# Allegro board trx_layout.brd (continued)
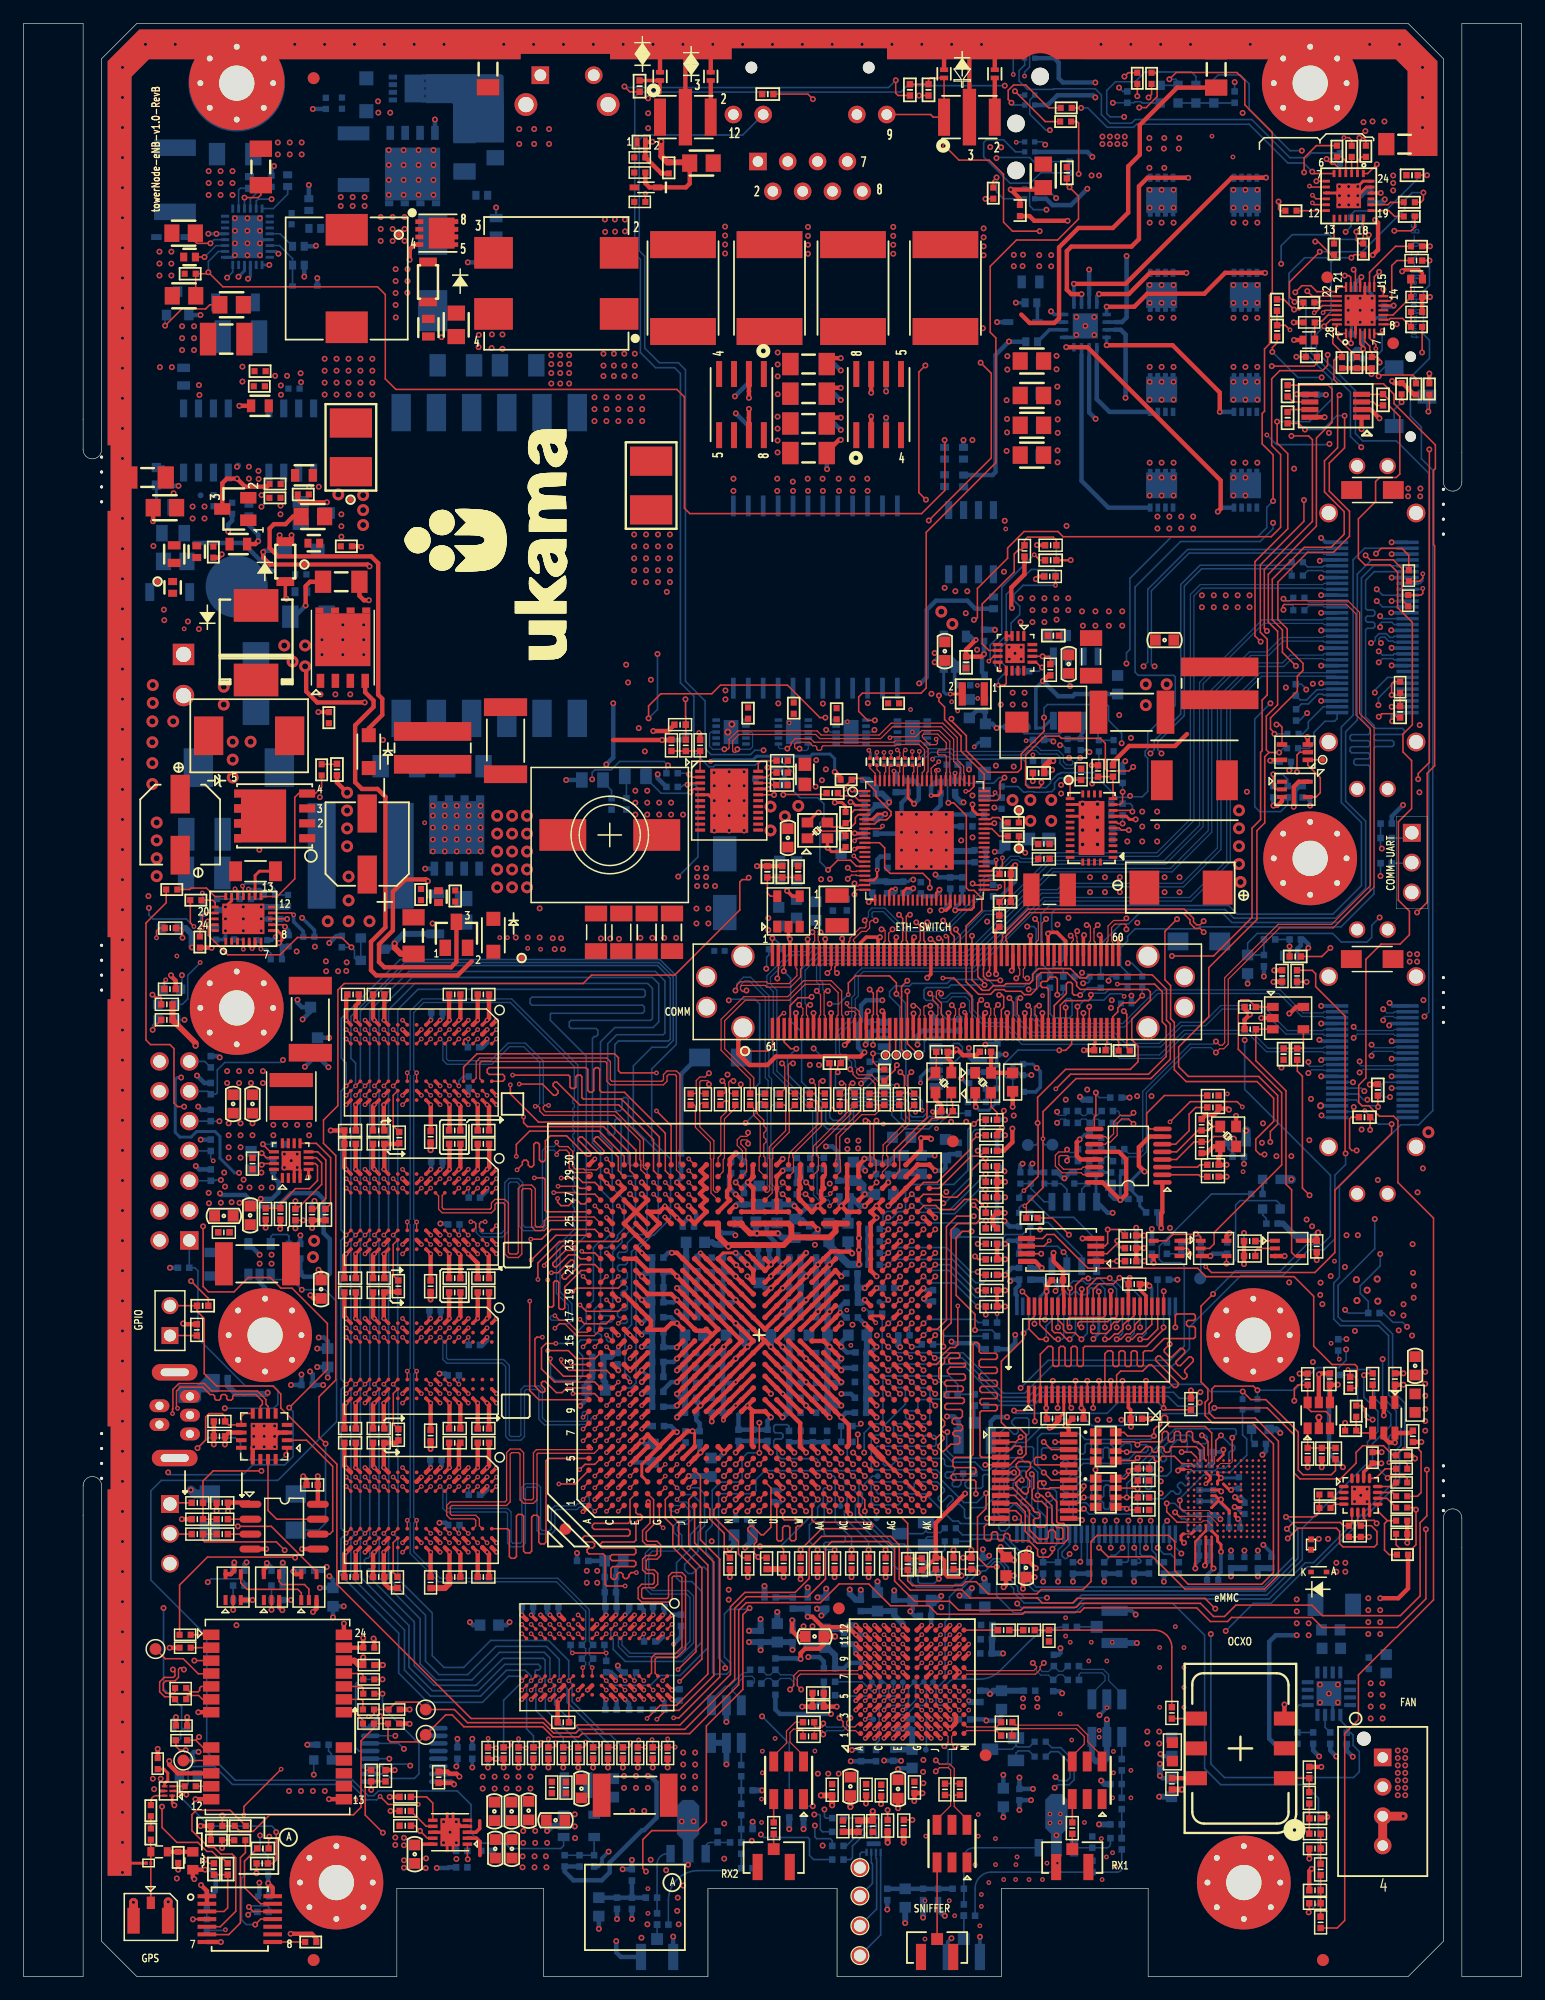
[diagram p0: board, top side]
## Routing (per net, layer and track width the routed paths; a pad name or vN(x,y) marks a point on that pad's centre or on a via; arc(x,y) is an arc through that point) (continued)
  BOTTOM w0.508: C306.1 C313.1 65.15,56.14 v1(64.67,56.61) ; C323.1 C330.1 56.35,52.93 56.67,52.61 56.35,52.29 C337.1 ; C351.1 56,49.28 v1(55.67,49.61) ; C351.1 C344.1 C337.1 ; C351.1 C357.1 56.07,48.01 v1(55.67,47.61) ; v1(60.67,61.61) v1(61.67,60.61) ; C337.1 55.88,51.82 v1(55.67,51.61) ; v1(64.67,47.61) 65.07,48.01 C355.1 C349.1 C342.1 C335.1 ; C348.1 C354.1 68.48,47.8 ; C348.1 69.15,48.61 v1(69.67,48.61) ; C348.1 C341.1 ; C303.1 C287.1 C282.1 L26.2 ; C303.1 v1(55.67,58.61) ; C303.1 C308.1 C315.1 56.15,56.14 v1(55.67,56.61) ; C334.1 C341.1 ; C334.1 C327.1 68.48,53.43 v1(68.67,53.61) 68.48,53.8 C321.1 C312.1 68.48,56.43 v1(68.67,56.61) 68.48,56.8 C305.1 C296.1 C288.1 68.48,60.43 ; C334.1 68.88,51.82 v1(69.67,52.61) ; C341.1 69.61,50.55 v1(69.67,50.61) ; C279.1 68.48,60.8 v1(68.67,60.61) ; v1(64.67,53.61) 64.67,53.6 65.18,53.09 C328.1 ; C335.1 C328.1 ; C335.1 64.88,51.82 v2(64.67,51.61) ; C328.1 C319.1 ; v1(60.67,55.61) 61.42,54.86 C322.1 61.42,53.86 v1(61.67,53.61) ; C280.1 65.26,61.2 65.24,61.18 C289.1
  vias: v3(40.35,98.83) v3(40.35,97.31) v3(40.35,95.79) v3(40.35,94.26) v3(40.35,92.74) v3(41.62,98.83) v3(41.62,97.31) v3(41.62,95.79) v3(41.62,94.26) v3(41.62,92.74) v3(42.89,98.83) v3(42.89,97.31) v3(42.89,95.79) v3(42.89,94.26) v3(42.89,92.74)
7130_VDD_PG: length 152.8
  TOP w0.137: R233.2 v1(31.27,14.09) ; v1(20.29,69.11) 20.4,69.22 21.33,69.22 U14.15 ; U7.3 56.71,101.62 v1(56.57,101.47)
  L3-SIGNAL w0.127: v1(24.83,87.69) 24.22,87.08 24.22,79.46 22.76,78 22.76,76.4 20.27,73.91 20.27,71.55 19.46,70.74 19.46,69.57 19.91,69.11 v1(20.29,69.11) 21.6,67.81 21.6,65.98 15.73,60.1 15.73,53.03 18.26,50.5 18.26,42.38 15.2,39.32 15.2,33.31 12,30.11 12,20 17.76,14.24 31.12,14.24 v1(31.27,14.09)
  L6-SIGNAL w0.127: v1(24.83,87.69) 23.8,86.66 22.96,86.66 22.53,87.1 22.53,88.01 27,92.48 29.49,92.48 31.24,90.73 42.93,90.73 45.85,93.65 v1(55.77,93.65)
  BOTTOM w0.137: R292.2 56.05,101.29 56.24,101.47 v1(56.57,101.47) 57.21,101.47 57.46,101.22 57.46,95.34 v1(55.77,93.65)
7130_VREFCA: length 14.5
  TOP w0.305: U23.H1 34.29,55.63 v2(34.69,56.03) ; U15.H1 34.29,68.33 v2(34.69,68.73) ; U23.M8 v2(30.69,49.63) ; U11.M8 v2(30.69,75.03) ; U11.H1 34.29,81.03 v2(34.69,81.43)
  TOP w0.381: U35.M8 v2(45.64,24.38) ; U15.M8 v2(30.69,62.33) ; U30.M8 v2(30.69,36.93) ; U35.H1 v2(49.64,30.78) ; U30.H1 34.29,42.93 v2(34.69,43.33)
  BOTTOM w0.381: R313.1 34.73,81.47 v2(34.69,81.43) ; C311.1 34.58,56.14 v2(34.69,56.03) ; v2(34.69,68.73) 34.73,68.77 C254.1 ; v2(34.69,43.33) 34.66,43.36 C369.1 ; v2(49.64,30.78) 49.57,30.86 C404.1 49.51,31.52 C392.1 C391.1 49.51,35.38 C383.1 R424.2
  vias: v1(47.98,34.54) v1(47.98,33.53) v1(48.87,34.54) v1(48.87,33.53)
7130_VTT: length 22.5
  TOP w0.305: R224.2 v1(49.79,17.8) ; R218.2 v1(42.17,17.8) ; R225.2 v1(51.06,17.8) ; R219.2 v1(43.44,17.8) ; v1(40.24,18.54) 40.23,18.54 R216.2 ; 38.86,13.26 38.86,12.6 38.55,12.29 U42.3 ; R220.2 v1(44.71,17.8) ; R226.2 v1(52.33,17.8) ; R223.2 v1(48.52,17.8) ; R228.2 v1(54.87,17.8) ; R227.2 v1(53.6,17.8) ; R221.2 v1(45.98,17.8) ; R217.2 v1(40.9,17.8) ; R222.2 v1(47.25,17.8)
  BOTTOM w0.305: R217.2 v1(40.9,17.8) ; C439.1 36.96,17.99 36.88,17.91 36.88,17.89 v1(36.87,17.89) ; R221.2 v1(45.98,17.8) ; R223.2 v1(48.52,17.8) ; R225.2 v1(51.06,17.8) ; R222.2 v1(47.25,17.8) ; R220.2 v1(44.71,17.8) ; R226.2 v1(52.33,17.8) ; R227.2 v1(53.6,17.8) ; R218.2 v1(42.17,17.8) ; R228.2 v1(54.87,17.8) ; R224.2 v1(49.79,17.8) ; R219.2 v1(43.44,17.8) ; C438.1 v1(38.23,17.8)
  BOTTOM w0.381: R217.2 40.9,18.54 v1(40.24,18.54)
  vias: v1(39.12,17.02) v1(39.12,16) v1(40.13,17.02) v1(40.13,16) v1(41.15,17.02) v1(41.15,16) v1(42.17,17.02) v1(42.17,16) v1(43.18,17.02) v1(43.18,16)
7130_WDI: length 64.3
  TOP w0.137: v1(109.55,66.52) 108.94,67.13 108.94,76.66 108.51,77.09 R8.2 ; U1.AF13 v1(73.67,51.61)
  L3-SIGNAL w0.127: v1(100.25,49.76) 99.85,50.16 99.85,57.99 100.58,58.72 102.98,58.72 103.26,59 103.96,59 108.08,63.12 108.08,65.05 v1(109.55,66.52)
  BOTTOM w0.137: v1(73.67,51.61) 74.2,52.15 79.99,52.15 83.16,48.97 85.81,48.97 86.59,49.75 97.95,49.75 98.48,49.23 99.72,49.23 v1(100.25,49.76)
AD936X_1V3: length 27.2
  TOP w0.381: v1(76.58,15.61) 76.57,15.62 L14.1 75.9,14.95 v1(75.88,14.94)
  TOP w0.508: v1(67.92,15.42) L15.1 v1(68.89,14.58)
  BOTTOM w0.381: v1(84.84,14.17) L41.1 v1(85.83,15.01) ; v1(73.31,18.39) 73.32,18.38 74.08,18.38 L39.1 v1(74.75,18.37) ; R448.2 106.55,19.82 106.12,20.25 106.12,28.5 106.68,29.06 v1(108.46,29.06)
  BOTTOM w0.508: v1(67.64,32.28) L30.1 v1(68.38,33.02) ; v1(61.8,29.44) L32.1 v1(62.79,30.43) ; v1(79.73,32.43) L29.1 80.47,32.75 v1(80.79,33.06) ; v1(70.38,32.94) 70.38,32.59 70.89,32.08 L31.1 v1(71.33,32.92)
  vias: v1(86.36,23.67) v1(86.36,22.96) v1(108.46,32.11) v1(108.46,31.09) v1(108.46,30.07) v1(109.48,30.07) v1(109.48,29.06)
AD936X_1V3_PG: length 226.5
  TOP w0.137: R114.2 13.37,89.27 13.55,89.1 v1(13.55,88.45)
  L3-SIGNAL w0.127: v1(68.07,11.15) 67.97,11.05 60.13,11.05 58.89,12.29 45.47,12.29 44.43,13.34 37.9,13.34 37.29,12.73 35.43,12.73 34.93,13.23 20.52,13.23 15.88,8.59 15.06,8.59 12.41,11.24 12.41,14.95 12.87,15.4 12.87,18.67 11.67,19.86 11.67,30.27 14.87,33.46 14.87,39.46 17.93,42.52 17.93,50.36 15.4,52.89 15.4,60.3 20.71,65.62 20.71,67.38 19.06,69.03 19.06,73.31 21.58,75.84 21.58,78.25 22.89,79.56 22.89,85.7 21.52,87.06 17.18,87.06 15.79,88.45 v1(13.55,88.45)
  L6-SIGNAL w0.127: v1(101.14,29.16) 91.24,19.25 83.54,19.25 75.09,10.8 73.33,10.8 72.44,11.68 68.61,11.68 v1(68.07,11.15)
  BOTTOM w0.137: U65.5 112.18,21.81 112.73,21.26 R450.2 113.07,20.75 113.26,20.56 113.26,19.69 113.79,19.16 113.79,17.43 113.3,16.94 102.3,16.94 101.14,18.1 v1(101.14,29.16)
AD936X_1V8: length 10.2
  TOP w0.381: R195.1 v1(69.09,34) ; v1(80.75,36.32) 80.75,36.32 R188.1 80.05,35.65 v1(80.04,35.66) ; v1(66.2,33.83) 66.2,33.84 R193.1 ; R192.1 v1(64.75,34) ; U3.H12 v2(77.32,29.91)
  TOP w0.508: R191.1 R192.1
  BOTTOM w0.381: v2(77.32,29.91) C407.1 C393.1 ; v1(80.04,35.66) 80.05,35.65 R188.1 80.75,36.32 v1(80.75,36.32)
  BOTTOM w0.508: v1(78.18,32.4) 77.8,32.02 C393.1
AD936X_CLKOUT: length 1.7
  BOTTOM w0.137: J18.1 R439.1
AD936X_RESET_L: length 68.5
  TOP w0.137: v1(114.19,51.2) 114.34,51.35 R160.2 ; v1(81.31,34.39) 81.02,34.69 R188.2 C133.1 ; U3.K5 v2(78.92,23.48)
  BOTTOM w0.137: v2(78.92,23.48) 78.54,23.1 77.87,23.1 77.74,23.24 77.74,24.49 78.51,25.26 78.51,30.22 78.87,30.59 78.87,32.31 79.57,33.01 79.93,33.01 v1(81.31,34.39) 81.55,34.39 81.7,34.54 81.94,34.54 82.73,35.32 83.09,35.32 83.56,34.85 83.56,33.81 84.35,33.02 84.35,32.69 85.24,31.8 89.46,31.8 90.14,32.48 105.92,32.48 108.93,35.49 108.93,38.16 114.49,43.72 114.49,45.52 115.38,46.41 115.38,48.13 114.19,49.32 v1(114.19,51.2)
AD936X_SYNCIN: length 23
  TOP w0.137: U3.H5 v2(77.32,23.48)
  L3-SIGNAL w0.127: v1(67.24,14.5) 66.86,14.88 66.86,22.85 69.13,25.12 73.06,25.12 73.68,24.49 73.68,23.37 73.96,23.09 76.93,23.09 v2(77.32,23.48)
  BOTTOM w0.137: R468.1 v1(67.24,14.5)
ADI_GPO_0: length 3.4
  BOTTOM w0.137: R473.2 70.46,9.96 70.61,10.11 70.61,11.1 71.55,12.04 71.81,12.04 U90.1
ADI_GPO_1: length 4.1
  BOTTOM w0.137: R471.2 70.74,12.32 71.54,13.12 72.44,13.12 72.62,12.95 U90.3
ADI_GPO_2: length 3.7
  BOTTOM w0.137: U90.2 72.21,12.03 72.21,12.65 72.08,12.78 71.76,12.78 70.11,11.13 R472.2
ADI_GPO_3: length 4.5
  BOTTOM w0.137: R470.2 72.84,13.49 73,13.32 73,12.04 U90.4
ALLPOWER_PG: length 6.9
  TOP w0.137: U32.4 18.51,33.51 19.05,32.97 23.36,32.97 23.66,32.67 U34.1
AUX_SUP: length 92.4
  TOP w0.137: R32.2 C10.2 15.62,144.98 v1(15.75,145.11) 16.98,143.87 30.16,143.87 30.82,143.21 30.82,136.04 31.72,135.13 55.66,135.13 56.3,134.49 56.3,125.02 56.76,124.56 76.51,124.56 78.49,126.54 78.49,130.8 v1(78.47,130.82)
  BOTTOM w0.137: U45.2 16.61,146.88 15.75,146.02 v1(15.75,145.11) ; R731.2 v1(78.47,130.82)
BG12: length 22.5
  TOP w0.381: v1(90.13,143.25) 89.26,143.25 88.88,143.63 88.88,146.91 89.26,147.29 94.39,147.29 95.02,147.93 95.02,152.43 95.76,153.16 99.21,153.16 v1(99.22,153.15)
  BOTTOM w0.305: U46.14 v1(90.13,143.25)
  BOTTOM w0.381: Q19.4 97.94,153.15 v1(99.22,153.15)
BG36: length 22.7
  TOP w0.381: v1(89.48,144.13) 93.88,144.13 102.92,153.16 105.78,153.16 105.78,153.17 v1(105.84,153.17)
  BOTTOM w0.305: U46.13 v1(89.48,144.13)
  BOTTOM w0.381: Q18.4 105.78,153.16 105.78,153.17 v1(105.84,153.17)
BG45: length 22.8
  TOP w0.381: v1(101.74,124.72) 101.98,124.97 101.98,127.38 90.64,138.72 88.83,138.72 v1(88.82,138.73)
  BOTTOM w0.305: U46.8 88.83,138.72 v1(88.82,138.73)
  BOTTOM w0.381: v1(101.74,124.72) 102.08,125.07 Q26.4
BG78: length 18.2
  BOTTOM w0.305: 90.13,138.05 U46.7
  BOTTOM w0.381: Q27.4 92.41,125.07 90.13,127.35 90.13,138.05
BUTTON_RESET_IN: length 72.6
  TOP w0.137: U1.AF15 v1(73.67,53.61) ; R108.1 109.78,85.67 110.08,85.37 110.08,84.28 112.58,81.78 112.58,70.12 v1(112.62,70.08)
  BOTTOM w0.137: v1(112.62,70.08) 112.62,69.14 111.71,68.22 111.71,62.81 110.77,61.87 109.48,61.87 107.29,59.69 103.71,59.69 99.32,55.3 99.32,53.45 97.87,51.99 87.61,51.99 85.28,49.66 83.48,49.66 80.04,53.11 74.17,53.11 v1(73.67,53.61)
BUTTON_RESET_OUT: length 38.2
  TOP w0.137: U1.AG16 v1(74.67,55.61)
  L3-SIGNAL w0.127: v1(103.97,63.3) 103.97,61.75 104.57,61.14 104.57,60.58 103.66,59.66 102.99,59.66 102.71,59.38 99.28,59.38 98.73,59.93 87.65,59.93 87.27,59.56 85.5,59.56 84.42,58.48 84.42,56.98 83.31,55.87 81.7,55.87 81.33,55.51 80,55.51 79.71,55.8 77.65,55.8 77.33,56.12 75.18,56.12 v1(74.67,55.61)
  BOTTOM w0.137: R372.2 v1(103.97,63.3)
C2_LED_P1_LED0: length 158.4
  TOP w0.137: v1(68.31,107.19) 67.84,107.19 65.08,109.95 59.37,109.95 58.63,109.22 54.28,109.22 53.25,108.18 v1(53.25,107.13) ; U243.9 73.04,97.73 73.17,97.87 v2(73.17,97.95) ; v1(67.25,159.85) 66.82,160.28 R714.1
  L3-SIGNAL w0.127: v1(93.76,158.34) 93.77,158.35 93.77,159.25 92.53,160.48 89.66,160.48 88.72,159.54 86.08,159.54 83.59,162.03 73.99,162.03 71.82,159.85 v1(67.25,159.85)
  L6-SIGNAL w0.127: v2(73.17,97.95) 73.09,97.95 72.81,98.24 72.81,99.77 74.27,101.23 75.28,101.23 76.81,102.75 76.81,104.55 76.19,105.17 75.87,105.17 75.15,105.89 73.19,105.89 72.72,105.41 68,105.41 67.75,105.66 67.75,106.63 v1(68.31,107.19) ; v1(54.01,112.61) 56.21,114.81 56.21,147.83 51.95,152.09 51.95,159.77 52.73,160.55 66.54,160.55 v1(67.25,159.85)
  BOTTOM w0.137: LED22.1 99.87,161.78 99.49,162.16 95.53,162.16 94.7,161.33 93.02,161.33 92.28,160.59 92.28,158.62 92.56,158.34 v1(93.76,158.34) ; v1(54.01,112.61) 54.01,107.89 v1(53.25,107.13)
CALL_LED: length 167
  TOP w0.137: v1(111.1,138.08) 111.1,137.18 110.65,136.73 107.02,136.73 106.33,136.04 106.33,130.35 107.09,129.59 107.09,123.39 106.29,122.59 88.56,122.59 88.12,123.04 85.24,123.04 83.83,121.63 83.83,120.76 81.26,118.19 81.26,115.69 81.08,115.51 v1(80.96,115.51) ; U21.14 v1(115.84,143.66)
  L6-SIGNAL w0.127: v1(115.84,143.66) 115.34,143.16 115.34,139.75 115.6,139.49 115.6,138.34 115.48,138.21 114.37,138.21 114.31,138.15 111.17,138.15 v1(111.1,138.08) ; v1(80.96,115.51) 80.71,115.76 80.71,116.26 79.83,117.14 77.75,117.14 77.32,116.71 77.32,114.53 78.06,113.79 78.06,111.14 76.56,109.63 74.33,109.63 73.73,110.24 59.67,110.24 57.47,108.04 52.63,108.04 50.87,106.28 50.87,101.61 44.23,94.97 39.99,94.97 36.75,91.74 31.76,91.74 28.79,94.71 15.08,94.71 12.4,92.03 12.4,88.35 13.46,87.29 13.46,86.27 13.05,85.86 13.05,84.81 13.18,84.68 13.55,84.68 13.98,85.11 13.98,85.27 v2(15.05,86.34)
  BOTTOM w0.137: LED8.2 13.53,82.77 13.99,83.23 13.99,85.25 15.05,86.3 v2(15.05,86.34)
CB_I2C_MASTER_SEL_3P3: length 85.4
  TOP w0.137: R681.1 v1(117.39,134.04) ; J4.31 78.8,88.54 78.75,88.59 v2(78.57,88.59) ; v1(109.07,125.72) 109.07,123.91 105.36,120.19 105.36,114.46 105.95,113.87 105.95,109.12 105.51,108.68 105.51,104.36 105.38,104.24 105.38,98.51 104.65,97.78 104.65,90.17 101.37,86.89 v1(97.83,86.89)
  L3-SIGNAL w0.127: v1(97.83,86.89) 96.17,85.23 94.28,85.23 92.68,86.83 80.7,86.83 80.17,86.84 78.57,88.44 v2(78.57,88.59)
  L6-SIGNAL w0.127: v1(117.39,134.04) 117.39,134.04 115.05,134.04 112.37,131.37 112.37,129.69 109.07,126.39 v1(109.07,125.72)
  BOTTOM w0.137: v1(117.39,134.04) 116.76,133.41 SW10.1
CB_INT_3P3: length 96.2
  TOP w0.137: v1(116.55,72.58) 116.55,71.79 111.71,66.95 111.71,61.65 110.01,59.94 101.2,59.94 v2(100.71,60.44) ; v1(90.29,82.03) J4.114
  L3-SIGNAL w0.127: v2(100.71,60.44) 99.69,60.44 98.05,62.08 96.47,62.08 95.99,62.56 94.19,62.56 92.64,64.11 87.1,64.11 v1(86.6,63.61) ; v2(114.25,73.73) 115.55,75.02 115.55,79.56 116.81,80.83 116.81,83.42 116.3,83.93 103.11,83.93 99.85,80.67 98.05,80.67 96.27,82.45 94.85,82.45 93.73,81.33 92.1,81.33 91.4,82.03 v1(90.29,82.03)
  L6-SIGNAL w0.127: v2(82.94,56.44) 82.94,62.77 83.78,63.61 v1(86.6,63.61)
  BOTTOM w0.137: v2(114.25,73.73) 115.41,72.58 v1(116.55,72.58) ; v2(82.94,56.44) 82.93,56.44 R396.2
CHASIS_GND: length 17.1
  TOP w0.254: D15.2 9.08,9.65
  TOP w0.381: 82.74,163.32 D2.2 ; C4.3 80.58,163.81 ; D3.2 54.22,163.49 ; D4.2 58.54,163.45 ; D1.2 78.42,163.46 ; C3.3 56.38,163.75
  vias: v1(8.43,162.55) v1(8.43,159.99) v1(8.43,157.43) v1(8.43,154.87) v1(8.43,152.31) v1(8.43,149.75) v1(8.43,147.19) v1(8.43,144.62) v1(8.43,142.06) v1(8.43,139.5) v1(8.43,136.94) v1(8.43,134.38) v1(8.43,131.82) v1(8.43,129.25) v1(8.43,124.15) v1(8.43,121.57) v1(8.43,119.01) v1(8.43,116.45) v1(8.43,113.88) v1(8.43,111.32) v1(8.43,108.76) v1(8.43,106.2) v1(8.43,103.64) v1(8.43,101.08) v1(8.43,98.51) v1(8.43,95.95) v1(8.43,93.39) v1(8.43,90.83) v1(8.43,88.27) v1(8.43,85.71) v1(8.43,83.15) v1(8.43,80.58) v1(8.43,78.02) v1(8.43,75.46) v1(8.43,72.9) v1(8.43,70.34) v1(8.43,67.78) v1(8.43,65.21) v1(8.43,62.65) v1(8.43,60.09) v1(8.43,57.53) v1(8.43,54.97) v1(8.43,52.41) v1(8.43,49.85) v1(8.43,47.28) v1(8.43,44.72) v1(8.43,42.16) v1(8.43,39.6) v1(8.43,37.04) v1(8.43,34.48) v1(8.43,31.91) v1(8.43,29.35) v1(8.43,26.79) v1(8.43,24.23) v1(8.43,21.67) v1(8.43,19.11) v1(8.43,16.54) v1(8.43,13.98) v1(8.43,11.42) v1(8.43,8.86) v1(10.39,164.51) v1(12.93,164.51) v1(23.11,164.51) v1(25.65,164.51) v1(28.2,164.51) v1(30.74,164.51) v1(33.28,164.51) v1(35.83,164.51) v1(40.91,164.51) v1(43.46,164.51) v1(46,164.51) v1(48.54,164.51) v1(51.09,164.51) v1(53.63,164.51) v1(56.17,164.51) v1(58.72,164.51) v1(61.26,164.51) v1(63.8,164.51) v1(66.35,164.51) v1(68.89,164.51) v1(71.44,164.51) v1(73.98,164.51) v1(76.52,164.51) v1(79.07,164.51) v1(81.61,164.51) v1(91.78,164.51) v1(94.33,164.51) v1(96.87,164.51) v1(99.41,164.51) v1(104.5,164.51) v1(114.67,164.51) v1(117.22,164.51) v1(119.18,162.55) v1(119.18,159.99) v1(119.18,157.43)
CONFIG_RST_SW: length 175.3
  TOP w0.137: R22.2 v2(52.98,151.82) ; v1(111.33,87.58) 110.6,86.85 R10.1
  L3-SIGNAL w0.127: v1(94.34,105.46) 91.96,105.46 87.96,109.46 87.96,111.61 87.67,111.9 86.58,111.9 86.45,111.9 85.98,112.37 85.98,113.26 85.29,113.95 82.2,113.95 81.85,114.3 80.88,114.3 80.17,113.59 78.09,113.59 77.47,114.21 77.47,118.88 78.21,119.61 v1(83.52,119.61)
  L6-SIGNAL w0.127: v2(52.98,151.82) 64.2,140.59 72.03,140.59 84.17,128.45 84.17,120.25 v1(83.52,119.61) 82.32,118.41 82.32,115.6 80.64,113.92 80.64,107.74 79.5,106.6 78.78,106.6 77.08,108.31 73.38,108.31 72.82,108.87 66.09,108.87 63.91,106.68 63.91,102.84 62.43,101.36 62.43,96.84 63.61,95.65 63.61,91.02 62.96,90.36 62.96,86.13 v1(63.27,85.81) ; v1(94.34,105.46) 103.56,105.46 104.85,104.17 104.85,91.67 107.47,89.05 109.86,89.05 v1(111.33,87.58)
  BOTTOM w0.137: v1(63.27,85.81) 63.3,85.84 63.3,86.78 63.5,86.98 R302.1
CRITICAL_TEMP_ALERT: length 83
  TOP w0.137: U5.2 108.72,104.25 108.49,104.01 v1(108.49,102.57) ; R176.1 118.45,39.93 v1(118.62,39.75) 118.62,36.76 118.31,36.45 117.24,36.45 116.93,36.76 R182.2
  L3-SIGNAL w0.127: v1(118.62,39.75) 120.07,41.2 120.07,43.5 118.47,45.1 118.47,51.77 119.15,52.45 119.15,66.37 v1(118.76,66.77)
  L6-SIGNAL w0.127: v1(108.49,102.57) 105.18,99.26 105.18,91.95 107.67,89.46 110.62,89.46 114.53,85.55 114.53,80.54 115.6,79.48 115.6,74.93 114.81,74.15 114.81,73.51 116.39,71.93 116.39,69.5 118.76,67.13 v1(118.76,66.77)
DATA1: length 3
  BOTTOM w0.305: 90.78,143.15 90.78,143.15 U46.15
  BOTTOM w0.381: 90.78,143.15 v1(90.78,145.34)
  vias: v1(60.48,127.53) v1(60.48,126.49) v1(83.81,137.97) v1(83.81,136.82) v1(95.94,152.13) v1(95.94,150.6) v1(95.94,149.33) v1(96.95,152.13) v1(96.95,150.6) v1(96.95,149.33) v1(97.97,152.13) v1(97.97,150.6) v1(97.97,149.33)
DATA2: length 7.1
  BOTTOM w0.305: U46.2 92.99,140.86
  BOTTOM w0.381: v1(93.97,146.49) 93.97,141.26 93.57,140.86 92.99,140.86
  vias: v1(71.88,127.53) v1(71.91,126.49) v1(83.75,134.21) v1(103.07,152.13) v1(103.07,150.6) v1(103.07,149.33) v1(104.09,152.13) v1(104.09,150.6) v1(104.09,149.33) v1(105.11,152.13) v1(105.11,150.6) v1(105.11,149.33)
DC_IN_12V: length 70
  TOP w0.381: v3(23.99,111.55) 24.08,111.46 24.08,109.42 25.03,108.48 v1(29.07,108.48)
  L5-PWR2 w0.381: v1(76.3,110.1) 55.19,110.1 53.59,111.7 v1(51.34,111.7)
  L6-SIGNAL w0.381: v1(51.34,111.7) 51.34,111.06 48.76,108.48 v1(29.07,108.48)
  BOTTOM w0.381: R284.2 81.09,116.46 80.4,117.15 77.73,117.15 76.95,116.37 76.95,110.64 76.41,110.1 v1(76.3,110.1)
  vias: v3(22.21,113.33) v3(22.92,111.96) v3(23.99,113.33)
DC_OK: length 5.6
  TOP w0.137: U18.4 97.36,62.64 97.92,63.2 99.82,63.2 v1(99.87,63.25) 99.9,63.22 100.05,63.22 100.28,62.99 U16.1
  BOTTOM w0.137: v1(99.87,63.25) 100.28,62.84 R378.2
DEBUG_USBDM: length 13.5
  TOP w0.132: U26.7 20.18,48.55 20.35,48.72 20.35,49 19.8,49.55 18.92,49.55 18.91,49.54 18.72,49.54 18.71,49.55 17.96,49.55 17.83,49.42 17.83,49.2 17.69,49.07 17.44,49.07 17.31,49.2 17.31,49.42 17.18,49.55 16.93,49.55 16.8,49.42 16.8,49.2 16.67,49.07 16.42,49.07 16.29,49.2 16.29,49.42 16.15,49.55 15.89,49.55 15.26,50.18 13.36,50.18 13.04,49.86 13.04,48.47 v2(13.13,48.38)
  L3-SIGNAL w0.117: v2(13.13,48.38) 12.91,48.6 J7.2
DEBUG_USBDP: length 13.6
  TOP w0.132: U26.6 20.83,48.55 20.66,48.72 20.66,49.12 19.92,49.86 16.04,49.86 15.41,50.49 13.23,50.49 12.73,49.98 12.73,48.35 12.7,48.31 v2(12.7,47.93)
  L3-SIGNAL w0.117: v2(12.7,47.93) 12.83,47.8 J7.3
EE_CLK_C0_LED_P2_LED0: length 110.5
  TOP w0.137: v1(77.21,92.7) 77.21,93.33 76.61,93.93 73.82,93.93 73.36,94.38 73.36,96.09 72.92,96.53 U243.12 ; v1(106.45,125.63) 106.45,129.56 105.51,130.5 105.51,133.08 105.72,133.28 105.72,138.58 106.14,139.01 106.14,143.15 106.38,143.39 106.38,157.02 104.04,159.36 104.04,161.44 103.37,162.11 98.19,162.11 v1(97.61,161.54)
  L6-SIGNAL w0.127: v1(77.21,92.7) 77.82,92.09 83.51,92.09 86.8,95.37 86.8,101.13 87.16,101.49 87.16,101.86 87.01,102 87.01,103.56 v1(88.3,104.84) 91.06,107.61 91.06,108.81 93.96,111.71 v1(93.96,111.79)
  BOTTOM w0.137: v1(93.96,111.79) 93.96,112.71 94.25,113 94.25,119.05 97.79,122.59 105.13,122.59 105.91,123.36 105.91,125.09 v1(106.45,125.63) ; v1(88.3,104.84) 88.52,104.84 R688.2 ; LED19.1 LED20.1 98.35,161.35 98.16,161.54 v1(97.61,161.54)
EE_DOUT_C1_LED: length 140.6
  TOP w0.137: R712.1 88.88,152.58 v1(89.11,152.34) 89.87,151.58 89.87,149.64 88.08,147.85 84.58,147.85 82.35,145.62 82.35,140 82.84,139.51 82.84,128.91 76.9,122.97 76.9,109.71 76.46,109.27 71.46,109.27 71.15,108.96 71.15,107.72 71.91,106.96 v1(72.52,106.96) ; U243.11 71.2,96.93 71.17,96.9 71,96.9 v2(70.79,96.7)
  L3-SIGNAL w0.127: v1(89.11,152.34) 86.41,155.04 86.41,156.18 86.83,156.6 87.77,156.6 88.37,157.2 98.83,157.2 100.28,155.75 107.8,155.75 108.09,155.46 v1(108.9,155.46)
  L6-SIGNAL w0.127: v1(72.52,106.96) 73.07,106.41 76.24,106.41 77.25,105.41 77.25,103.84 v2(77.44,103.65) 77.25,103.45 77.25,102.5 74.02,99.27 74.02,98.69 73.63,98.3 73.63,95.95 73.45,95.76 72.26,95.76 71.33,96.7 v2(70.79,96.7)
  BOTTOM w0.137: v2(77.44,103.65) 77.65,103.86 78.85,103.86 79.05,103.66 85.11,103.66 85.4,103.37 85.4,101.61 85.76,101.25 86.5,101.25 86.53,101.22 87.1,101.22 87.49,101.62 87.49,101.77 88.11,102.39 88.26,102.39 88.37,102.5 91.15,102.5 91.61,102.96 R690.2 ; v1(108.9,155.46) 107.89,155.46 104.41,158.94 104.41,161.06 104.4,161.16 103.65,161.91 101.77,161.91 101.4,161.54 LED21.1
EEPROM_WP: length 97.8
  TOP w0.137: U21.8 116.98,140.67 v1(116.99,140.68) ; v1(119.76,130.03) 119.76,103.37 118.81,102.42 v1(118.81,101.95)
  L3-SIGNAL w0.127: v1(112.59,56.76) 112.69,56.65 v1(112.69,54.27) ; v1(118.81,101.95) 119.81,100.94 119.81,90.84 119.31,90.34 119.31,87.3 119.77,86.84 119.77,84.56 118.24,83.03 118.24,72.21 117.4,71.37 117.4,63.35 v1(115.57,61.52)
  L6-SIGNAL w0.127: v1(119.76,130.03) 119.81,130.03 120.3,130.52 120.3,140.11 119.73,140.68 v1(116.99,140.68)
  BOTTOM w0.137: v1(112.59,56.76) 112.86,56.49 R394.1 114.56,57.48 113.87,58.17 113.87,58.8 115.57,60.5 v1(115.57,61.52) ; R401.1 112.68,54.26 v1(112.69,54.27)
EFUSE_IN_12V: length 3
  BOTTOM w0.203: R645.2 20.28,91.74 20.48,91.95 R643.2 20.48,92.3 20.18,92.6 19.17,92.6 v2(19.17,92.6)
  vias: v3(17.82,105.14) v3(17.82,103.61) v3(17.82,102.09) v3(19.35,105.14)
EMMC_3V3: length 34.9
  TOP w0.203: U29.M4 U29.N4 100.7,37.93 100.22,37.45 U29.P3 99.82,37.04 v1(99.82,34.75) ; U29.P5 101.22,36.78 101.22,34.9 v1(101.37,34.75)
  TOP w0.254: U29.J10 103.22,39.93 v1(103.17,39.98) ; 102.01,42.45 101.72,42.16 U29.E6 ; 102.01,42.45 102.01,42.47 101.72,42.76 U29.C6 ; 102.01,42.45 v1(102,42.45) ; U29.K9 103.22,39.2 v1(103.46,38.96) ; U29.F5 101.9,41.43 v1(102.03,41.3)
  TOP w0.381: v1(111.97,50.39) 111.96,50.39 R159.2 U24.4
  L3-SIGNAL w0.508: v1(111.97,50.39) 109.93,48.36 105.31,48.36
  BOTTOM w0.254: C372.1 103.47,42.45 v1(102,42.45)
  BOTTOM w0.305: C376.1 103.65,38.77 v1(103.46,38.96) ; C375.1 C374.1 101.91,41.42 v1(102.03,41.3) ; C385.1 v1(105.15,36.27) ; C379.1 C382.1 100.14,35.44 99.82,35.13 v1(99.82,34.75) ; v1(101.37,34.75) 100.82,34.2 C381.1 ; v1(105.62,36.75) 106.29,36.08 C384.1 ; C387.1 v1(102.86,36.27) ; v1(103.17,39.98) 103.25,39.98 103.85,39.38 C377.1 ; C386.1 v1(104,36.27)
  BOTTOM w0.381: v1(105.54,44.42) 105.84,44.73 R106.1
  BOTTOM w0.508: R420.1 R419.1 101.6,39.29 v1(101.96,38.94)
  vias: v1(91.32,43.15) v1(91.49,47.4) v1(92.51,47.4) v1(93.53,47.4) v1(96.88,43.18) v1(96.88,42.16) v1(96.88,41.15)
EMMC_CLK: length 29.7
  TOP w0.083: U29.M6 101.72,38.54 101.08,39.18 98.92,39.18 98.91,39.17
  TOP w0.137: U27.21 v1(87.88,44.21) ; 98.91,39.17 98.45,39.17 v1(98.1,39.52)
  L6-SIGNAL w0.127: v1(87.88,44.21) 88.86,44.21 88.99,44.34 88.99,44.75 89.11,44.88 89.37,44.88 89.5,44.75 89.5,44.34 89.62,44.21 89.88,44.21 90,44.34 90,44.75 90.13,44.88 90.38,44.88 90.51,44.75 90.51,44.34 90.64,44.21 90.89,44.21 91.02,44.34 91.02,44.75 91.15,44.88 91.4,44.88 91.53,44.75 91.53,44.34 91.65,44.21 91.91,44.21 92.04,44.34 92.04,44.75 92.16,44.88 92.42,44.88 92.54,44.75 92.54,44.34 93.3,43.59 93.55,43.59 93.68,43.71 93.68,44.03 93.8,44.16 94.06,44.16 94.19,44.03 94.19,43.71 94.31,43.59 94.72,43.59 94.85,43.46 94.85,42.71 94.98,42.58 95.23,42.58 95.36,42.71 95.36,43.46 95.49,43.59 96.11,43.59 96.37,43.32 96.37,39.8 96.5,39.67 97.95,39.67 v1(98.1,39.52)
  BOTTOM w0.137: v1(98.1,39.52) 98.66,38.96 98.99,38.96 99.13,38.83 99.13,37.96 99.27,37.82 99.51,37.82 99.65,37.96 99.65,38.1 99.7,38.15 R420.2
EMMC_CMD: length 28.9
  TOP w0.083: 98.96,38.68 100.36,38.68 100.48,38.8 100.85,38.8 U29.M5
  TOP w0.137: v1(86.91,45.51) 87.56,44.86 U27.22 ; v1(97.39,40.28) 97.39,39.57 98.28,38.68 98.96,38.68
  L6-SIGNAL w0.127: v1(86.91,45.51) 86.91,45.07 87.17,44.81 88.24,44.81 88.67,45.24 88.92,45.24 89.05,45.36 89.05,45.77 89.18,45.9 89.43,45.9 89.56,45.77 89.56,45.36 89.69,45.24 89.94,45.24 90.07,45.36 90.07,45.77 90.19,45.9 90.45,45.9 90.57,45.77 90.57,45.36 90.7,45.24 90.96,45.24 91.08,45.36 91.08,45.77 91.21,45.9 91.46,45.9 91.59,45.77 91.59,45.36 91.72,45.24 94.16,45.24 94.79,44.61 96.21,44.61 97.39,43.43 v1(97.39,40.28)
  BOTTOM w0.137: R419.2 99.19,39.29 98.91,39.57 98.78,39.57 98.07,40.28 v1(97.39,40.28)
EMMC_D0: length 26.2
  TOP w0.137: U29.A3 100.22,44.78 99.89,45.11 97.82,45.11 97.68,44.97 97.68,44.78 97.54,44.64 97.3,44.64 97.16,44.78 97.16,44.97 97.02,45.11 96.78,45.11 96.64,44.97 96.64,44.78 96.51,44.64 96.26,44.64 96.13,44.78 96.13,44.97 95.99,45.11 95.61,45.11 95.15,44.65 v1(93.98,44.65) 93.91,44.72 93.05,44.72 NR1.6 ; v1(86.91,44.21) 86.26,44.21 86.12,44.08 86.12,43.66 86.22,43.56 U27.20
  BOTTOM w0.137: v1(86.91,44.21) 86.72,44.4 86.72,44.87 86.86,45.01 89.78,45.01 89.91,44.87 89.91,44.64 90.05,44.5 90.3,44.5 90.43,44.64 90.43,45.25 90.57,45.39 90.83,45.39 90.97,45.25 90.97,44.63 91.11,44.5 91.35,44.5 91.49,44.63 91.49,45.25 91.63,45.39 92.53,45.39 92.99,44.92 93.31,44.92 93.77,45.39 94.23,45.39 94.37,45.25 94.37,44.79 94.23,44.65 v1(93.98,44.65)
EMMC_D1: length 27.5
  TOP w0.137: NR1.7 94.64,45.53 v1(94.9,45.27) 95.15,45.53 96.86,45.53 97,45.67 97,46.25 97.16,46.41 97.38,46.41 97.52,46.28 97.52,45.67 97.65,45.53 97.89,45.53 98.03,45.67 98.03,46.28 98.17,46.41 98.41,46.41 98.55,46.28 98.55,45.67 98.69,45.53 98.93,45.53 99.07,45.67 99.07,46.28 99.21,46.41 99.45,46.41 99.59,46.28 99.59,45.67 99.72,45.53 100.06,45.53 100.58,45.01 100.58,44.08 U29.A4 ; U27.19 v1(87.88,42.91)
  BOTTOM w0.137: v1(87.88,42.91) 88.72,42.91 88.85,43.05 88.85,43.24 88.49,43.61 88.49,43.81 88.66,43.98 88.85,43.98 89.17,43.66 89.37,43.66 89.75,44.04 91.83,44.04 91.97,44.18 91.97,44.9 92.1,45.04 92.35,45.04 92.49,44.9 92.49,44.18 92.62,44.04 94.16,44.04 94.74,44.62 95.6,44.62 95.8,44.82 95.8,45.14 95.66,45.27 v1(94.9,45.27)
